# Altium PCB EnvUnitPCB.PcbDoc (part 3 of 4)
Units mm, origin at the board's own origin, x right, y up, seen from the top; angles counter-clockwise.
Board outline 110.5 x 67 mm, 4 copper layers (TOP, GND, VCC, BOT), stack 1.586 mm thick; 184 components, 135 nets, 655 pads, 1338 vias.
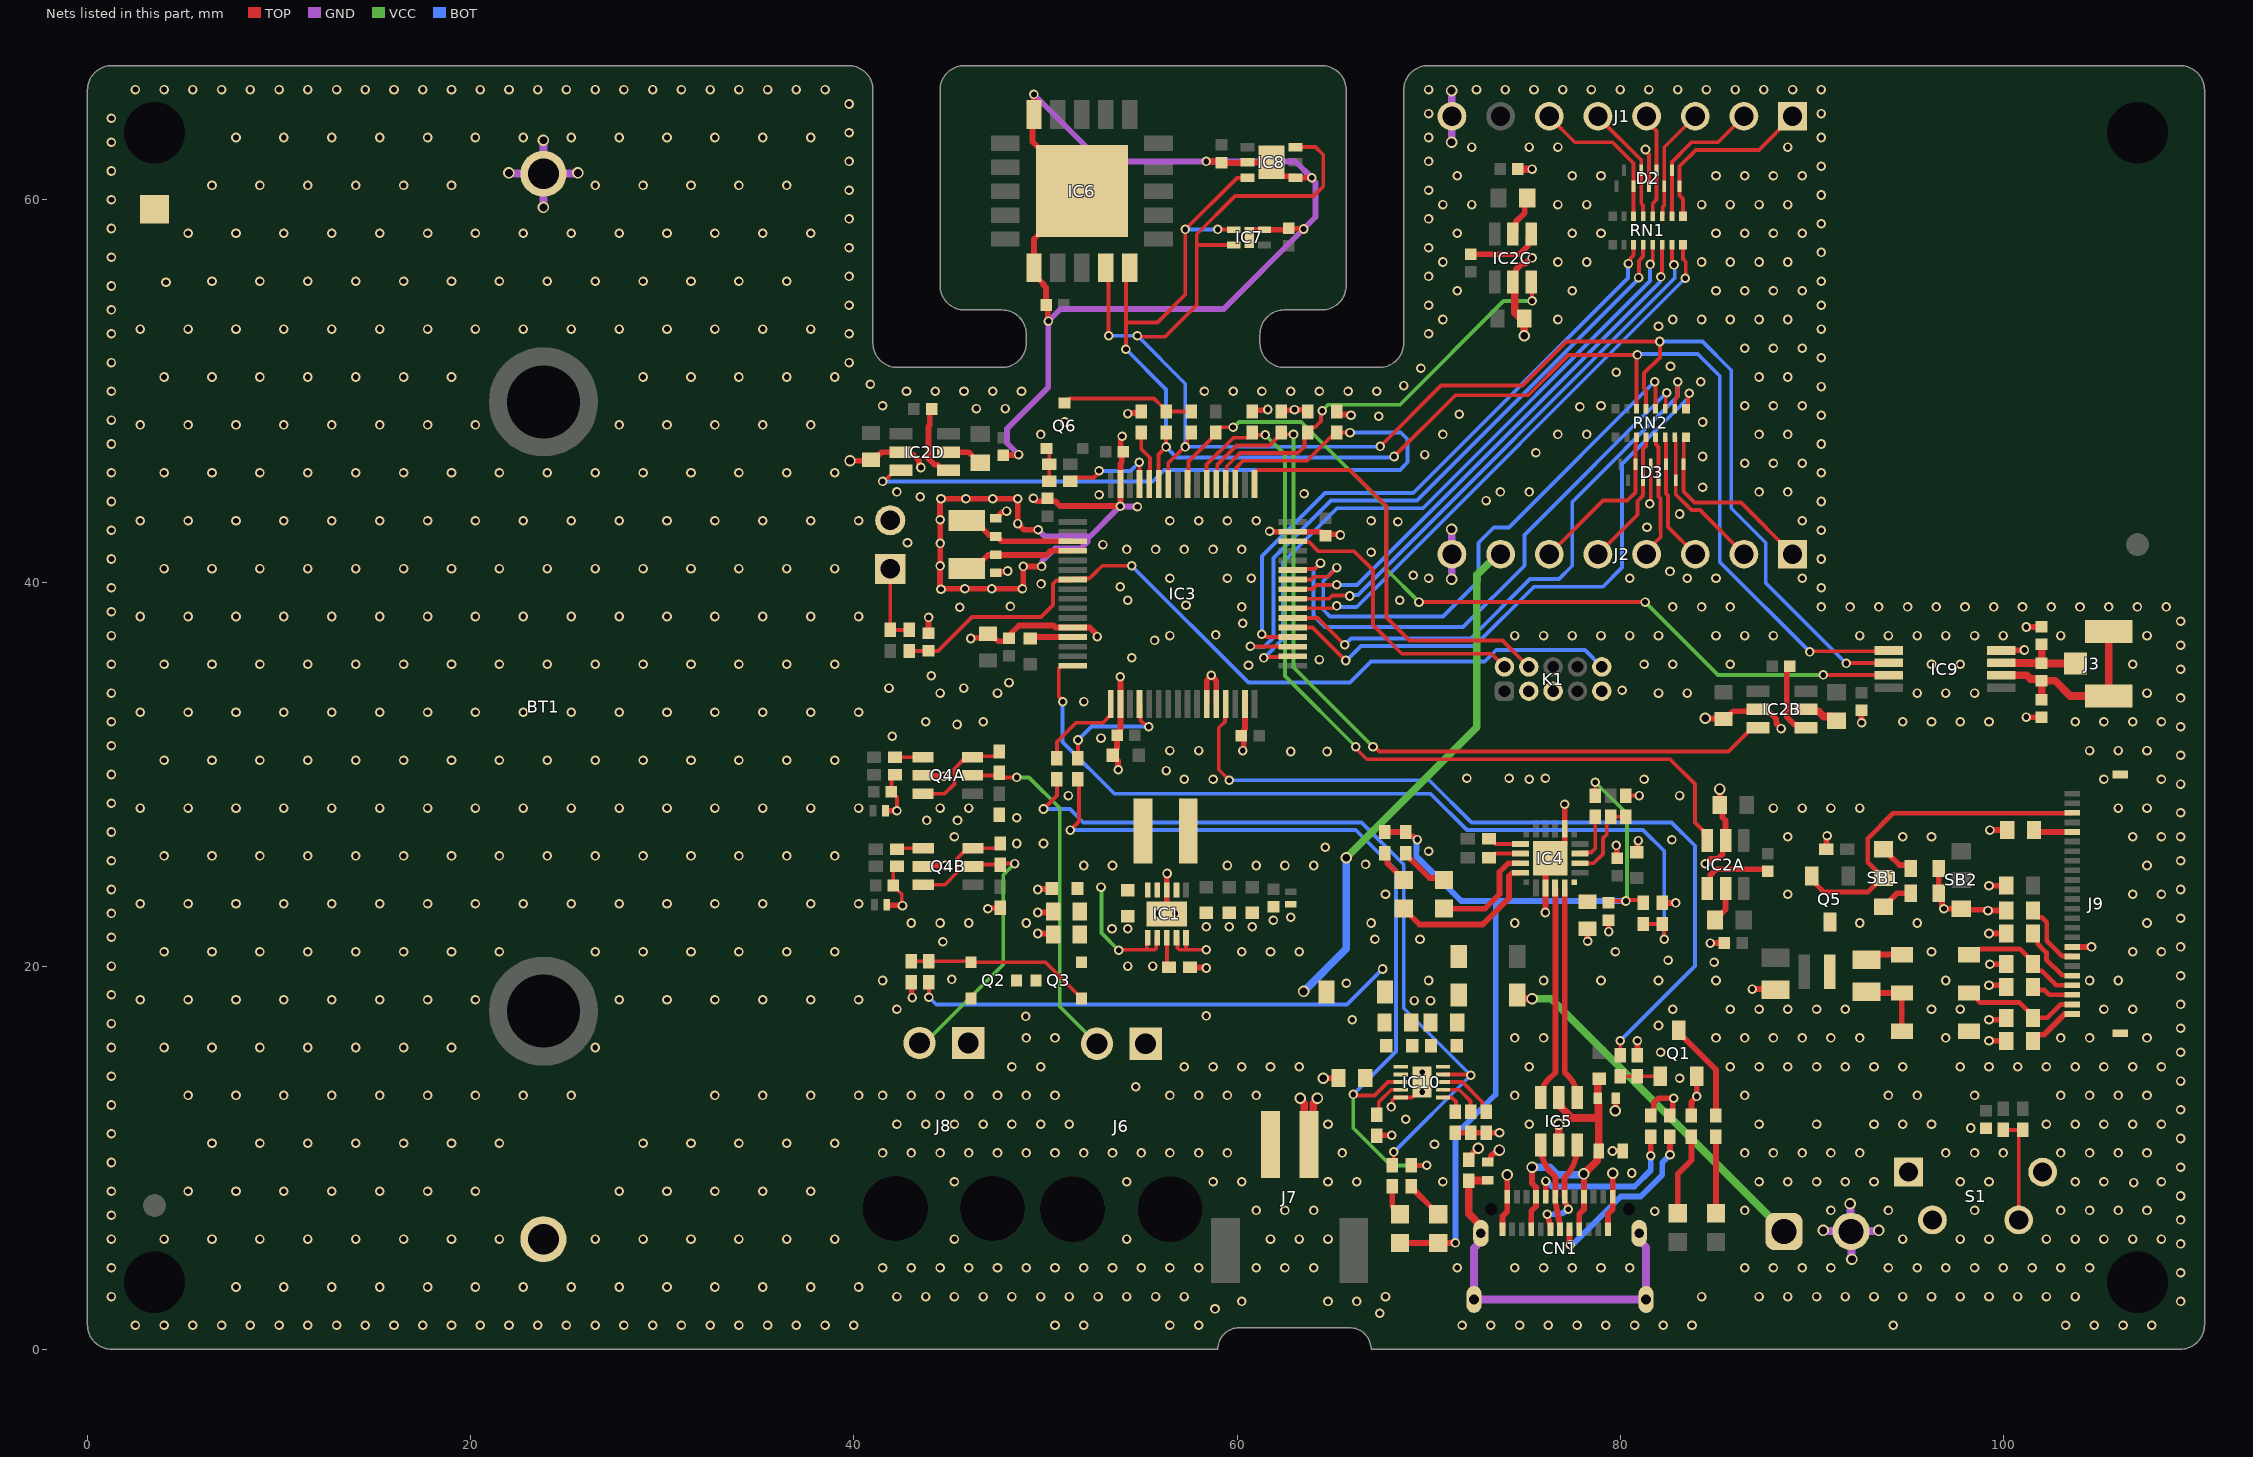
[diagram p5: the nets of this part, all layers, seen from the top]

## Via types
v1: diameter 0.5, hole 0.3, TOP to BOT, tented both sides, 1301 vias
v2: diameter 0.6, hole 0.4, TOP to BOT, tented both sides, 37 vias

## Nets (pads, with @x,y where several pads share a name; then routed paths per layer and width w, separated by ;. In a path a pad name is that pad's centre, name@x,y a point inside that pad or via, vN(x,y) a via of type N, cw(c..) or ccw(c..) an arc to the next point about the centre after c; other vN are vias at no path point) (continued)
GND: *BM1.1 BT1.MH2 C1.1 C2.2 C3.2 C4.2 C5.2 C6A.1 C6B.1 C6C.1 C6D.1 C8A.1 C8B.1 C8C.1 C8D.1 C9.2 C10.1 C11.1 C12.1 C13.1 C14.1 C15.2 C16.2 C17.1 C18.1 C19.2 C20.1 C21.1 C22.2 C23.1 C24.1 C25.1 C26.1 C28.2 C29.1 C30.1 C31.2 C32.2 C33.2 C34.2 C35.2 C36.2 C37.2 C38.2 C39A.1 C39B.1 C41.2 C42.2 C43.2 C44.2 C45.2 C46.2 C47.2 C48.2 C49.2 C50.1 C51.2 CN1.A1 CN1.A12 CN1.B1 CN1.B12 D1.2 D2.3 D3.3 D6.2 D11A.2 D11B.2 D14.1 IC1.4 IC1.5 IC1.8 IC1.11 IC2A.2 IC2B.2 IC2C.2 IC2D.2 IC3.12 IC3.18 IC3.27 IC3.28 IC3.31 IC3.47 IC3.63 IC4.3 IC4.12 IC4.21 IC5.2 IC6.6 IC6.20 IC6.21 IC7.4 IC7.5 IC8.2 IC8.4 IC8.7 IC9.4 IC10.5 IC10.11 J1.8 J2.8 J4.2 J5.2 J7.2 J9.17 J9.MP1 J9.MP2 K1.3 K1.5 K1.9 Q1.2 Q4A.5 Q4B.5 R1.1 R3.1 R4.1 R5.1 R11.1 R24.1 R27.2 R29.1 R30.1 R31.1 R32.1 R33.1 R34.2 R35.2 R36.1 R37.2 R40A.1 R40B.1 R41A.1 R41B.1 R42.1 R43.1 R44.1 R45.1 R46.2 S1.1 S1.2 S1.4 SB2.3 | length 245.9
  TOP w0.2: C39A.1@41.96,29.092 41.96,29.09 42.25,28.8 v1(42.25,28.114) ; C39A.1@41.96,29.1 41.96,29.81 R41A.1@42.15,30 ; R41B.1@42.25,25.2 42.06,25.01 C39B.1@42.06,24.2 42.06,24.19 42.5,23.75 v1@42.5,23.2 ; IC1.4@56.839,21.472 56.889,21.422 56.889,20.948 56.987,20.85 57.3,20.85 ; IC1.5@57.339,21.472 57.339,20.889 57.3,20.85 ; v1(58.4,20.85) 57.3,20.85 ; v1(68.05,12.65) 68.101,12.701 68.101,13.001 68.25,13.15 IC10.5@68.55,13.15 69.15,13.15 69.423,13.423 v1(69.675,13.423) ; R11.1@80.3,28.9 v1(81,28.9) ; v1(81.324,62.624) 81.324,62.543 81.5,62.367 81.5,61.974 D2.3@81.5,60.676 ; v1(81.55,44.135) 81.6,44.185 D3.3@81.6,46.2
  TOP w0.3: v2(39.8,46.375) 40.85,46.375 C6D.1@40.9,46.425 41.125,46.65 41.27,46.65 41.445,46.825 IC2D.2@42.45,46.825 42.6,46.675 43.076,46.675 43.12,46.675 43.4,46.395 43.4,46.179 43.5,46.079 v1(43.5,46.025) ; D11A.2@41.65,28.1 41.657,28.107 42.243,28.107 v1(42.25,28.114) ; D11B.2@41.725,23.2 41.744,23.181 42.519,23.181 v1(42.539,23.161) ; R29.1@42.999,19.151 43.022,19.128 43.022,18.378 v1(43.045,18.355) ; Q4A.5@43.6,29.95 43.625,29.925 44.675,29.925 v1(44.7,29.9) ; Q4B.5@43.625,25.2 43.675,25.25 v1(44.775,25.25) ; C30.1@43.9,37.37 v1(43.9,38.2) ; v1(44.5,40.888) 44.5,39.779 44.55,39.729 v1(44.55,39.675) 44.575,39.7 v1(45.8,39.7) v1(47.2,39.7) v1(48.8,39.7) 48.838,39.738 v1(48.838,40.86) 48.838,40.887 48.865,40.86 v1(49.8,40.86) ; v1@44.513,40.888 v1(44.513,42.062) 44.506,42.069 44.506,43.294 v1(44.5,43.3) 44.5,44.296 44.55,44.346 v1(44.55,44.4) v1(45.85,44.4) v1(47.25,44.4) v1(48.55,44.4) ; v1(46.1,37.1) 46.138,37.138 46.788,37.138 C17.1@47,37.35 ; v1(47,23) 47.025,23.025 47.625,23.025 R40B.1@47.65,23.05 ; C17.1@47.095,37.25 47.296,37.125 47.577,36.95 47.94,36.95 C18.1@48.1,37.11 48.11,37.11 48.26,37.26 48.26,37.414 48.621,37.775 50.425,37.775 50.525,37.675 IC3.12@51.427,37.675 52.309,37.675 52.662,37.323 52.662,37.238 v1(52.7,37.2) ; C16.2@47.4,40.54 47.447,40.587 47.987,40.587 v1(48.025,40.625) ; C15.2@47.4,43.36 47.41,43.36 47.762,43.712 47.937,43.712 v1(47.975,43.75) ; C8D.1@47.8,46.665 47.817,46.683 48.583,46.683 v1(48.6,46.7) ; v1@48.554,44.396 v1(48.554,43.1) 48.879,42.775 v1(49.616,42.775) ; v1(49.375,44.425) 49.532,44.268 50.242,44.268 50.25,44.26 50.515,44.26 50.76,44.015 53.915,44.015 IC3.63@53.915,45.163 53.915,46.215 53.982,46.282 53.982,46.772 C12.1@54.06,46.85 53.926,46.984 53.926,47.522 54,47.596 v1(54,47.65) ; v1(49.4,65.5) 49.4,64.65 49.324,64.574 49.324,63.026 50.7,61.65 IC6.21@50.7,61.45 ; v1(49.6,21.7) 50.35,21.7 C32.2@50.4,21.65 ; v1(49.6,22.8) 50.35,22.8 C33.2@50.4,22.85 ; v1(49.6,24) 49.625,24.025 50.3,24.025 C31.2@50.325,24.05 ; C10.1@50.092,44.417 C10.1@50.1,44.41 ; v1(50.154,53.665) 50.116,53.704 50.116,54.414 50.03,54.5 50.03,55.425 49.9,55.555 49.9,55.6 49.4,56.1 IC6.6@49.4,56.45 49.4,57.95 IC6.21@51.9,60.45 ; v1(53.8,30.25) 53.784,30.266 53.784,30.716 53.525,30.975 C9.2@53.525,31 53.7,31.175 53.7,31.336 53.74,31.376 C13.1@53.74,32.05 53.89,32.2 53.89,32.361 53.915,32.386 IC3.18@53.915,33.687 53.915,35.085 v1(53.9,35.1) ; v1(53.9,44) v1@53.912,43.988 ; v1(54.3,48.838) 54.338,48.876 54.926,48.876 R3.1@55,48.95 ; v1@54.788,43.988 v1(54.8,43.975) ; v1(55.85,22.75) 56.047,22.75 56.075,22.722 IC1.11@56.339,22.722 IC1.8@56.339,23.972 56.339,24.821 v1(56.35,24.832) ; R1.1@57.55,19.95 57.575,19.925 58.375,19.925 v1(58.4,19.9) ; v1(58.4,62) 59.25,62 59.33,61.92 60.52,61.92 IC8.2@60.55,61.95 IC8.7@61.8,61.95 61.8,61.755 62.325,61.23 62.52,61.23 62.525,61.225 62.975,61.225 IC8.4@63.05,61.15 v1(63.9,61.15) ; IC3.27@58.415,33.687 58.415,34.911 58.657,35.153 v1(58.657,35.186) 58.657,35.168 58.915,34.911 IC3.28@58.915,33.687 ; C11.1@60.201,32.05 60.351,32.2 60.351,32.322 60.415,32.386 IC3.31@60.415,33.687 ; C11.1@60.229,32.022 60.346,31.905 60.346,31.35 60.3,31.304 v1(60.3,31.25) ; IC7.5@60.637,58.041 IC7.5@60.637,58.041 60.637,58.341 60.737,58.441 IC7.4@61.437,58.441 62.631,58.441 C24.1@62.682,58.492 ; R33.1@60.8,48.95 60.863,49.013 61.562,49.013 v1(61.6,49.051) ; v1(61.7,42.7) 61.725,42.675 IC3.47@62.903,42.675 64.409,42.675 64.618,42.467 C14.1@64.628,42.467 64.708,42.547 65.299,42.547 65.346,42.5 v1(65.4,42.5) ; R32.1@62.3,48.95 62.362,49.012 62.962,49.012 v1(63,49.05) ; C24.1@62.7,58.51 C24.1@62.682,58.492 ; v1(63,49.05) 63.017,49.034 63.616,49.034 R31.1@63.7,48.95 ; v1(63.476,58.474) 63.458,58.492 C24.1@62.682,58.492 ; v2(64.5,14.15) C38.2@65.3,14.15 ; R30.1@65.213,48.862 65.287,48.788 65.912,48.788 v1(65.95,48.75) ; R34.2@67.3,11.15 67.325,11.175 v1(68.075,11.175) ; R37.2@71.4,11.3 R36.1@72.2,11.3 R35.2@73,11.3 v1(73.7,11.3) ; R46.2@72.1,9.9 72.25,10.05 72.25,10.174 72.576,10.5 v2(72.6,10.5) ; C51.2@73.1,9.775 73.175,9.775 73.25,9.85 73.25,10.074 73.518,10.343 73.643,10.343 v2(73.7,10.4) ; CN1.B12@73.86,6.26 73.86,6.945 74.11,7.195 CN1.A1@74.11,7.96 74.11,9.09 v2(74.1,9.1) ; IC2C.2@74.5,55.609 74.551,55.66 74.551,56.351 74.858,56.658 75.04,56.658 75.346,56.963 v1(75.4,56.963) ; v1(76.1,22.8) 76.103,22.803 IC4.3@76.103,24.075 76.103,25.375 IC4.21@76.353,25.625 77.103,26.375 77.103,26.787 IC4.12@77.103,27.175 77.103,28.447 v1(77.1,28.45) ; IC5.2@76.682,10.768 IC5.2@76.8,10.65 ; v1(78.3,21.3) C22.2@78.3,21.95 ; CN1.B1@79.36,6.26 79.36,7.06 79.61,7.31 CN1.A12@79.61,7.96 79.61,9.19 v2(79.607,9.193) ; v1(79.4,21.8) C21.1@79.4,22.39 ; v1(79.6,10.35) D6.2@80.125,10.35 ; v2(79.75,12.45) 79.762,12.462 79.762,13.087 C50.1@79.775,13.1 ; v1(79.8,26.3) 79.824,26.276 79.824,25.736 C20.1@79.875,25.685 ; C19.2@80.875,25.95 80.906,25.981 80.906,26.519 v1(80.937,26.55) ; R24.1@80.9,15.35 v1(80.9,16.1) ; R4.1@81.6,12.2 81.75,12.35 81.75,12.85 82,13.1 v1(82.8,13.1) 82.8,13.046 82.75,12.996 82.75,12.35 R5.1@82.6,12.2 ; R45.1@82.2,23.3 v1(82.9,23.3) ; R27.2@83.717,12.2 83.717,12.917 v1(84,13.2) Q1.2@84,14.25 ; v1(84.453,25.347) 84.476,25.347 84.729,25.6 85.102,25.6 85.35,25.848 85.35,25.924 85.35,26.4 IC2A.2@85.5,26.55 85.5,27.6 85.341,27.759 85.341,28.359 C6A.1@85.2,28.5 ; v2@84.455,32.921 C6B.1@85.379,32.921 ; v1(84.7,21.2) C8A.1@85.44,21.2 ; C6A.1@85.2,28.4 C6A.1@85.2,28.5 ; v2(85.2,29.243) C6A.1@85.2,28.5 ; C6B.1@85.57,32.975 85.895,33.3 IC2B.2@87.1,33.3 ; v1(86.9,18.8) 88.07,18.8 C41.2@88.1,18.77 ; IC2B.2@87.2,33.4 IC2B.2@87.1,33.3 ; v1(88.4,32.4) 88.4,32.426 88.15,32.676 88.15,32.895 87.945,33.1 87.795,33.25 87.15,33.25 IC2B.2@87.1,33.3 ; R43.1@90.75,26.1 90.775,26.125 90.775,26.775 v1(90.8,26.8) ; v1(92.6,32.7) C8B.1@92.6,33.35 ; R42.1@96.625,25.1 R44.1@96.625,23.8 96.8,23.625 96.8,23.131 96.9,23.031 v1(96.9,23) SB2.3@97.8,23 97.862,22.938 99.162,22.938 v1(99.2,22.9) C44.2@100.15,22.9 ; v1(99.25,16.1) C49.2@100.15,16.1 ; v1(99.25,17.2) 100.05,17.2 C48.2@100.15,17.3 ; v1(99.25,19) 100.05,19 C47.2@100.15,18.9 ; v1(99.25,21.7) C45.2@100.15,21.7 ; v1(99.25,24.2) C43.2@100.15,24.2 ; v1(99.3,20.1) C46.2@100.15,20.1 ; v1(99.3,27.1) C42.2@100.2,27.1 ; IC9.4@99.888,36.475 99.9,36.487 101.087,36.487 v1(101.1,36.5) ; v1(101.2,33) 101.205,32.995 101.995,32.995 C26.1@102,32.99 ; v1(101.2,37.7) 101.205,37.705 101.995,37.705 C28.2@102,37.71 ; J9.17@103.6,21 v1(104.6,21)
  TOP w0.4: v2(63.3,13.1) 63.3,13.046 63.517,12.829 63.517,10.933 J7.2@63.75,10.7 63.983,10.933 63.983,12.829 64.187,13.033 v2@64.187,13.1 ; IC2C.2@74.401,55.708 74.5,55.609 74.5,54.095 C6C.1@75,53.595 ; C8C.1@74.66,61.6 v1(75.4,61.6) ; v2(75,52.9) C6C.1@75,53.8 C6C.1@75,53.895 ; IC5.2@76.8,10.65 v2(76.8,11.75)
  GND w0.3: v1(48.6,46.7) 48,47.3 48,48.049 50.15,50.199 50.15,53.661 v1(50.154,53.665) 50.793,54.304 59.305,54.304 v1(63.476,58.474) 64.1,59.099 64.1,60.896 63.9,61.096 v1(63.9,61.15) 63.05,62 v1(58.4,62) 52.9,62 v1(49.4,65.5) ; v1(49.616,42.775) 49.966,42.425 52.2,42.425 52.2,42.3 ; v1(49.8,40.86) 49.838,40.898 49.838,41.138 50.5,41.8 51.849,41.8 52.2,42.151 52.2,42.3 ; v1(54.8,43.975) 54.788,43.988 53.912,43.988 v1(53.9,44) 52.2,42.3
  GND w0.4: v2(22,61.4) 22.025,61.375 23.775,61.375 BT1.MH2@23.8,61.35 ; v2(23.8,59.6) BT1.MH2@23.8,61.35 ; v2(23.8,63.1) BT1.MH2@23.8,61.35 ; v2(25.6,61.4) 25.575,61.375 23.825,61.375 BT1.MH2@23.8,61.35 ; v2(71.2,40.2) 71.21,40.21 71.21,41.49 J2.8@71.22,41.5 71.21,41.51 71.21,42.79 v2(71.2,42.8) ; v2(71.2,63) 71.21,63.01 71.21,64.35 J1.8@71.22,64.36 71.21,64.37 71.21,65.69 v2(71.2,65.7) ; v2(90.6,6.2) 90.625,6.175 J5.2@92.025,6.175 ; v2(92,7.6) 92.025,7.575 J5.2@92.025,6.175 ; v2(92.1,4.7) 92.075,4.725 92.075,6.125 J5.2@92.05,6.15 ; v2(93.5,6.2) 93.475,6.175 92.075,6.175 J5.2@92.05,6.15 ; J5.2@92.025,6.175 J5.2@92.05,6.15
  BOT w0.3: v1(53.9,44) v1@53.912,43.988 ; v1@54.788,43.988 v1(54.8,43.975)
  other v1: 2.5,1.25 4,1.25 5.5,1.25 7,1.25 8.5,1.25 10,1.25 11.5,1.25 13,1.25 14.5,1.25 16,1.25 17.5,1.25 19,1.25 20.5,1.25 22,1.25 23.5,1.25 25,1.25 26.5,1.25 28,1.25 29.5,1.25 31,1.25 32.5,1.25 34,1.25 35.5,1.25 37,1.25 38.5,1.25 40,1.25 50.5,1.25 52,1.25 56.5,1.25 58,1.25 71.75,1.25 73.25,1.25 74.75,1.25 76.25,1.25 77.75,1.25 79.25,1.25 80.75,1.25 82.25,1.25 83.75,1.25 94.25,1.25 103.25,1.25 104.75,1.25 106.25,1.25 107.75,1.25 67.445,1.88 58.849,2.105 60.25,2.5 64.75,2.5 66.25,2.5 109.25,2.5 1.25,2.75 42.25,2.75 43.75,2.75 45.25,2.75 46.75,2.75 48.25,2.75 49.75,2.75 51.25,2.75 52.75,2.75 54.25,2.75 55.75,2.75 57.25,2.75 67.75,2.75 84.25,2.75 87.25,2.75 88.75,2.75 90.25,2.75 91.75,2.75 93.25,2.75 94.75,2.75 96.25,2.75 97.75,2.75 99.25,2.75 100.75,2.75 102.25,2.75 103.75,2.75 7.75,3.25 10.25,3.25 12.75,3.25 15.25,3.25 17.75,3.25 20.25,3.25 22.75,3.25 25.25,3.25 27.75,3.25 30.25,3.25 32.75,3.25 35.25,3.25 37.75,3.25 40.25,3.25 109.25,4 1.25,4.25 41.5,4.25 43,4.25 44.5,4.25 46,4.25 47.5,4.25 49,4.25 50.5,4.25 52,4.25 53.5,4.25 55,4.25 56.5,4.25 58,4.25 61,4.25 62.5,4.25 64,4.25 71.5,4.25 74.5,4.25 76,4.25 77.5,4.25 79,4.25 80.5,4.25 86.5,4.25 88,4.25 89.5,4.25 91,4.25 94,4.25 95.5,4.25 97,4.25 98.5,4.25 100,4.25 101.5,4.25 103,4.25 104.5,4.25 109.25,5.5 1.25,5.75 4,5.75 6.5,5.75 9,5.75 11.5,5.75 14,5.75 16.5,5.75 19,5.75 21.5,5.75 26.5,5.75 29,5.75 31.5,5.75 34,5.75 36.5,5.75 39,5.75 45.25,5.75 54.25,5.75 61.75,5.75 63.25,5.75 64.75,5.75 94.75,5.75 97.75,5.75 99.25,5.75 102.25,5.75 103.75,5.75 105.25,5.75 106.75,5.75 108.25,5.75 109.25,6.75 1.25,7 81.811,7.206 61,7.25 62.5,7.25 64,7.25 86.5,7.25 91,7.25 94,7.25 98.5,7.25 103,7.25 104.5,7.25 106,7.25 107.5,7.25 109.25,8 1.25,8.25 5.25,8.25 7.75,8.25 10.25,8.25 12.75,8.25 15.25,8.25 17.75,8.25 20.25,8.25 27.75,8.25 30.25,8.25 32.75,8.25 35.25,8.25 37.75,8.25 106.8,8.7 45.25,8.75 54.25,8.75 58.75,8.75 60.25,8.75 64.75,8.75 66.25,8.75 70.75,8.75 87.25,8.75 88.75,8.75 90.25,8.75 91.75,8.75 93.25,8.75 97.75,8.75 99.25,8.75 103.75,8.75 105.25,8.75 108.25,8.75 80.6,9.2 109.25,9.5 1.25,9.75 41.5,10.25 43,10.25 44.5,10.25 46,10.25 47.5,10.25 49,10.25 50.5,10.25 52,10.25 53.5,10.25 55,10.25 56.5,10.25 58,10.25 59.5,10.25 65.5,10.25 86.5,10.25 88,10.25 89.5,10.25 91,10.25 92.5,10.25 97,10.25 98.5,10.25 100,10.25 103,10.25 104.5,10.25 106,10.25 107.5,10.25 70.311,10.706 6.5,10.75 9,10.75 11.5,10.75 14,10.75 16.5,10.75 19,10.75 21.5,10.75 29,10.75 31.5,10.75 34,10.75 36.5,10.75 39,10.75 109.25,11 1.25,11.25 98.3,11.55 42.25,11.75 43.75,11.75 45.25,11.75 46.75,11.75 48.25,11.75 49.75,11.75 51.25,11.75 64.75,11.75 75.25,11.75 87.25,11.75 90.25,11.75 93.25,11.75 94.75,11.75 96.25,11.75 102.25,11.75 103.75,11.75 105.25,11.75 106.75,11.75 108.25,11.75 68.811,12.006 109.25,12.5 1.25,12.75 5.25,13.25 7.75,13.25 10.25,13.25 12.75,13.25 15.25,13.25 17.75,13.25 20.25,13.25 22.75,13.25 25.25,13.25 32.75,13.25 35.25,13.25 37.75,13.25 40.25,13.25 41.5,13.25 43,13.25 44.5,13.25 46,13.25 47.5,13.25 49,13.25 50.5,13.25 56.5,13.25 58,13.25 59.5,13.25 61,13.25 74.5,13.25 86.5,13.25 94,13.25 95.5,13.25 98.5,13.25 103,13.25 104.5,13.25 106,13.25 107.5,13.25 54.711,13.706 109.25,14 83.1,14.15 1.25,14.25 69.675,14.462 48.25,14.75 49.75,14.75 57.25,14.75 58.75,14.75 60.25,14.75 61.75,14.75 63.25,14.75 75.25,14.75 85.75,14.75 87.25,14.75 88.75,14.75 90.25,14.75 91.75,14.75 93.25,14.75 94.75,14.75 97.75,14.75 99.25,14.75 100.75,14.75 102.25,14.75 103.75,14.75 105.25,14.75 106.75,14.75 108.25,14.75 82.111,15.506 109.25,15.5 1.25,15.75 4,15.75 6.5,15.75 9,15.75 11.5,15.75 14,15.75 16.5,15.75 19,15.75 26.5,15.75 49,16.25 50.5,16.25 74.5,16.25 76,16.25 85,16.25 86.5,16.25 88,16.25 89.5,16.25 91,16.25 92.5,16.25 97,16.25 103,16.25 104.5,16.25 107.5,16.25 109.25,16.75 82,16.9 1.25,17 66.011,17.206 48.975,17.375 58.4,17.4 42.25,17.75 82.75,17.75 85.75,17.75 87.25,17.75 88.75,17.75 90.25,17.75 91.75,17.75 96.25,17.75 97.75,17.75 105.25,17.75 106.75,17.75 109.25,18 69.25,18.2 70.1,18.2 2.75,18.25 5.25,18.25 7.75,18.25 10.25,18.25 12.75,18.25 15.25,18.25 17.75,18.25 20.25,18.25 27.75,18.25 30.25,18.25 32.75,18.25 35.25,18.25 37.75,18.25 40.25,18.25 1.25,18.5 65.711,19.106 41.5,19.25 70,19.25 76,19.25 79,19.25 82,19.25 85,19.25 97,19.25 104.5,19.25 106,19.25 45.111,19.306 109.25,19.5 1.25,20 54.3,20 55.6,20 84.9,20.2 82.5,20.3 4,20.75 6.5,20.75 9,20.75 11.5,20.75 14,20.75 16.5,20.75 19,20.75 21.5,20.75 26.5,20.75 29,20.75 31.5,20.75 34,20.75 36.5,20.75 39,20.75 60.25,20.75 61.75,20.75 63.25,20.75 79.75,20.75 96.25,20.75 106.75,20.75 108.25,20.75 109.25,21 44.65,21.275 67.2,21.4 69.55,21.4 1.25,21.5 53.475,21.95 54.3,21.95 58.4,22.05 59.6,22.05 60.8,22.05 43,22.25 44.5,22.25 46,22.25 49,22.25 67,22.25 74.5,22.25 92.5,22.25 95.5,22.25 107.5,22.25 61.9,22.4 109.25,22.5 62.8,22.55 1.25,22.75 56.775,22.75 2.75,23.25 5.25,23.25 7.75,23.25 10.25,23.25 12.75,23.25 15.25,23.25 17.75,23.25 20.25,23.25 22.75,23.25 25.25,23.25 27.75,23.25 30.25,23.25 32.75,23.25 35.25,23.25 37.75,23.25 40.25,23.25 67.75,23.75 88.75,23.75 106.75,23.75 108.25,23.75 1.25,24 109.25,24 52,25.25 53.5,25.25 59.5,25.25 61,25.25 62.5,25.25 64,25.25 107.5,25.25 66.711,25.306 1.25,25.5 109.25,25.5 4,25.75 6.5,25.75 9,25.75 11.5,25.75 14,25.75 16.5,25.75 19,25.75 21.5,25.75 24,25.75 26.5,25.75 29,25.75 31.5,25.75 34,25.75 36.5,25.75 39,25.75 70,26 64.611,26.206 48.5,26.4 49.9,26.4 82.7,26.6 45.25,26.75 88.75,26.75 94.75,26.75 96.25,26.75 106.75,26.75 108.25,26.75 109.25,26.75 1.25,27 43.811,27.606 45.411,27.606 48.5,27.75 109.25,28 2.75,28.25 5.25,28.25 7.75,28.25 10.25,28.25 12.75,28.25 15.25,28.25 17.75,28.25 20.25,28.25 22.75,28.25 25.25,28.25 27.75,28.25 30.25,28.25 32.75,28.25 35.25,28.25 37.75,28.25 40.25,28.25 44.5,28.25 46,28.25 88,28.25 89.5,28.25 91,28.25 92.5,28.25 106,28.25 107.5,28.25 1.25,28.5 51.2,28.9 83.1,28.9 109.25,29.5 57.25,29.75 58.75,29.75 75.25,29.75 81.25,29.75 105.25,29.75 108.25,29.75 72,29.8 74.2,29.8 76.1,29.8 1.25,30 56.311,30.206 4,30.75 6.5,30.75 9,30.75 11.5,30.75 14,30.75 16.5,30.75 19,30.75 21.5,30.75 24,30.75 26.5,30.75 29,30.75 31.5,30.75 34,30.75 36.5,30.75 39,30.75 109.25,31 62.8,31.2 64.7,31.2 56.5,31.25 58,31.25 104.5,31.25 106,31.25 107.5,31.25 1.25,31.5 52.9,31.9 42,32 109.25,32.5 45.389,32.611 1.25,32.75 43.75,32.75 46.75,32.75 94.75,32.75 96.25,32.75 97.75,32.75 99.25,32.75 103.75,32.75 105.25,32.75 106.75,32.75 108.25,32.75 2.75,33.25 5.25,33.25 7.75,33.25 10.25,33.25 12.75,33.25 15.25,33.25 17.75,33.25 20.25,33.25 22.75,33.25 25.25,33.25 27.75,33.25 30.25,33.25 32.75,33.25 35.25,33.25 37.75,33.25 40.25,33.25 52.011,33.806 109.25,34 1.25,34.25 44.5,34.25 47.5,34.25 82,34.25 83.5,34.25 95.5,34.25 97,34.25 98.5,34.25 107.5,34.25 80.1,34.4 41.836,34.514 45.736,34.514 48.1,34.8 44.039,35.161 109.25,35.5 60.6,35.7 1.25,35.75 4,35.75 6.5,35.75 9,35.75 11.5,35.75 14,35.75 16.5,35.75 19,35.75 21.5,35.75 24,35.75 26.5,35.75 29,35.75 31.5,35.75 34,35.75 36.5,35.75 39,35.75 81.25,35.75 82.75,35.75 85.75,35.75 96.25,35.75 97.75,35.75 106.75,35.75 64.3,36 54.5,36.1 109.25,36.75 55.7,37 1.25,37.25 56.5,37.25 74.5,37.25 76,37.25 77.5,37.25 79,37.25 80.5,37.25 82,37.25 85,37.25 86.5,37.25 88,37.25 92.5,37.25 94,37.25 95.5,37.25 97,37.25 98.5,37.25 100,37.25 103,37.25 107.5,37.25 58.891,37.287 60.3,37.9 109.25,38 2.75,38.25 5.25,38.25 7.75,38.25 10.25,38.25 12.75,38.25 15.25,38.25 17.75,38.25 20.25,38.25 22.75,38.25 25.25,38.25 27.75,38.25 30.25,38.25 32.75,38.25 35.25,38.25 37.75,38.25 40.25,38.25 1.25,38.5 45.525,38.725 60.25,38.75 82.75,38.75 84.25,38.75 85.75,38.75 90.5,38.75 92,38.75 93.5,38.75 95,38.75 96.5,38.75 98,38.75 99.5,38.75 101,38.75 102.5,38.75 104,38.75 105.5,38.75 107,38.75 108.5,38.75 48.175,38.775 57.339,38.839 54.3,39.1 68.5,39.1 1.25,39.75 90.5,39.75 53.911,39.806 49.775,39.95 56.5,40.25 59.5,40.25 60.747,40.25 70,40.25 80.5,40.25 83.5,40.25 85,40.25 89.5,40.25 69.2,40.4 82.6,40.6 4,40.75 6.5,40.75 9,40.75 11.5,40.75 14,40.75 16.5,40.75 19,40.75 21.5,40.75 24,40.75 26.5,40.75 29,40.75 31.5,40.75 34,40.75 36.5,40.75 39,40.75 1.25,41.25 90.5,41.25 67,41.6 54.25,41.75 55.75,41.75 57.25,41.75 58.75,41.75 60.25,41.75 53,42 42.8,42.1 1.25,42.75 90.5,42.75 81.4,42.9 68.4,43.2 2.75,43.25 5.25,43.25 7.75,43.25 10.25,43.25 12.75,43.25 15.25,43.25 17.75,43.25 20.25,43.25 22.75,43.25 25.25,43.25 27.75,43.25 30.25,43.25 32.75,43.25 35.25,43.25 37.75,43.25 40.25,43.25 56.5,43.25 58,43.25 59.5,43.25 61,43.25 67,43.25 89.5,43.25 83.1,43.6 1.25,44.25 90.5,44.25 73,44.3 43.461,44.496 52.8,44.6 63.5,44.65 42.25,44.75 73.75,44.75 75.25,44.75 87.25,44.75 88.75,44.75 84.3,45 1.25,45.75 4,45.75 6.5,45.75 9,45.75 11.5,45.75 14,45.75 16.5,45.75 19,45.75 21.5,45.75 24,45.75 26.5,45.75 29,45.75 31.5,45.75 34,45.75 36.5,45.75 39,45.75 90.5,45.75 86.5,46.25 88,46.25 89.5,46.25 84.3,46.6 69.8,46.7 75.6,46.8 1.25,47.25 90.5,47.25 49.75,47.75 70.75,47.75 76.75,47.75 78.25,47.75 87.25,47.75 88.75,47.75 2.75,48.25 5.25,48.25 7.75,48.25 10.25,48.25 12.75,48.25 15.25,48.25 17.75,48.25 20.25,48.25 27.75,48.25 30.25,48.25 32.75,48.25 35.25,48.25 37.75,48.25 51,48.4 84.3,48.4 1.25,48.5 67.4,48.7 90.5,48.75 71.6,48.8 46.4,49.1 47.9,49.1 77.9,49.2 41.5,49.25 79,49.25 86.5,49.25 88,49.25 89.5,49.25 1.25,50 42.75,50 44.25,50 45.75,50 47.25,50 48.75,50 58.3,50 59.8,50 61.3,50 62.8,50 64.3,50 65.8,50 67.3,50 90.5,50.25 68.7,50.3 40.865,50.373 84.2,50.5 4,50.75 6.5,50.75 9,50.75 11.5,50.75 14,50.75 16.5,50.75 19,50.75 29,50.75 31.5,50.75 34,50.75 36.5,50.75 39,50.75 87.25,50.75 88.75,50.75 79.8,51 69.6,51.2 82.625,51.307 1.25,51.5 39.75,51.5 90.5,51.75 86.5,52.25 88,52.25 89.5,52.25 1.25,53 39.75,53 70,53 2.75,53.25 5.25,53.25 7.75,53.25 10.25,53.25 12.75,53.25 15.25,53.25 17.75,53.25 20.25,53.25 22.75,53.25 25.25,53.25 27.75,53.25 30.25,53.25 32.75,53.25 35.25,53.25 37.75,53.25 90.5,53.25 82,53.4 70.75,53.75 76.75,53.75 82.75,53.75 84.25,53.75 85.75,53.75 87.25,53.75 88.75,53.75 1.25,54.25 39.75,54.5 70,54.5 90.5,54.5 71.5,55.25 77.5,55.25 85,55.25 86.5,55.25 88,55.25 89.5,55.25 1.25,55.5 4.1,55.7 6.5,55.75 9,55.75 11.5,55.75 14,55.75 16.5,55.75 19,55.75 21.5,55.75 24,55.75 26.5,55.75 29,55.75 31.5,55.75 34,55.75 36.5,55.75 90.5,55.75 39.75,56 70,56 70.75,56.75 76.75,56.75 78.25,56.75 84.25,56.75 85.75,56.75 87.25,56.75 88.75,56.75 1.25,57 90.5,57.25 39.75,57.5 70,57.5 5.25,58.25 7.75,58.25 10.25,58.25 12.75,58.25 15.25,58.25 17.75,58.25 20.25,58.25 22.75,58.25 25.25,58.25 27.75,58.25 30.25,58.25 32.75,58.25 35.25,58.25 37.75,58.25 71.5,58.25 77.5,58.25 79,58.25 85,58.25 86.5,58.25 88,58.25 89.5,58.25 1.25,58.5 90.5,58.75 39.75,59 70,59 70.75,59.75 72.25,59.75 76.75,59.75 78.25,59.75 84.25,59.75 85.75,59.75 87.25,59.75 88.75,59.75 1.25,60 90.5,60.25 39.75,60.5 70,60.5 6.5,60.75 9,60.75 11.5,60.75 14,60.75 16.5,60.75 19,60.75 26.5,60.75 29,60.75 31.5,60.75 34,60.75 36.5,60.75 71.5,61.25 77.5,61.25 79,61.25 85,61.25 86.5,61.25 88,61.25 89.5,61.25 1.25,61.5 90.5,61.75 39.75,62 70,62 72.25,62.75 75.25,62.75 76.75,62.75 88.75,62.75 1.25,63 7.75,63.25 10.25,63.25 12.75,63.25 15.25,63.25 17.75,63.25 20.25,63.25 22.75,63.25 25.25,63.25 27.75,63.25 30.25,63.25 32.75,63.25 35.25,63.25 37.75,63.25 70,63.25 90.5,63.25 39.75,63.5 1.25,64.25 70,64.5 90.5,64.5 39.75,65 2.5,65.75 4,65.75 5.5,65.75 7,65.75 8.5,65.75 10,65.75 11.5,65.75 13,65.75 14.5,65.75 16,65.75 17.5,65.75 19,65.75 20.5,65.75 22,65.75 23.5,65.75 25,65.75 26.5,65.75 28,65.75 29.5,65.75 31,65.75 32.5,65.75 34,65.75 35.5,65.75 37,65.75 38.5,65.75 70,65.75 72.5,65.75 74,65.75 75.5,65.75 77,65.75 78.5,65.75 80,65.75 81.5,65.75 83,65.75 84.5,65.75 86,65.75 87.5,65.75 89,65.75 90.5,65.75